# Altium PCB PCB2.PcbDoc (continued)
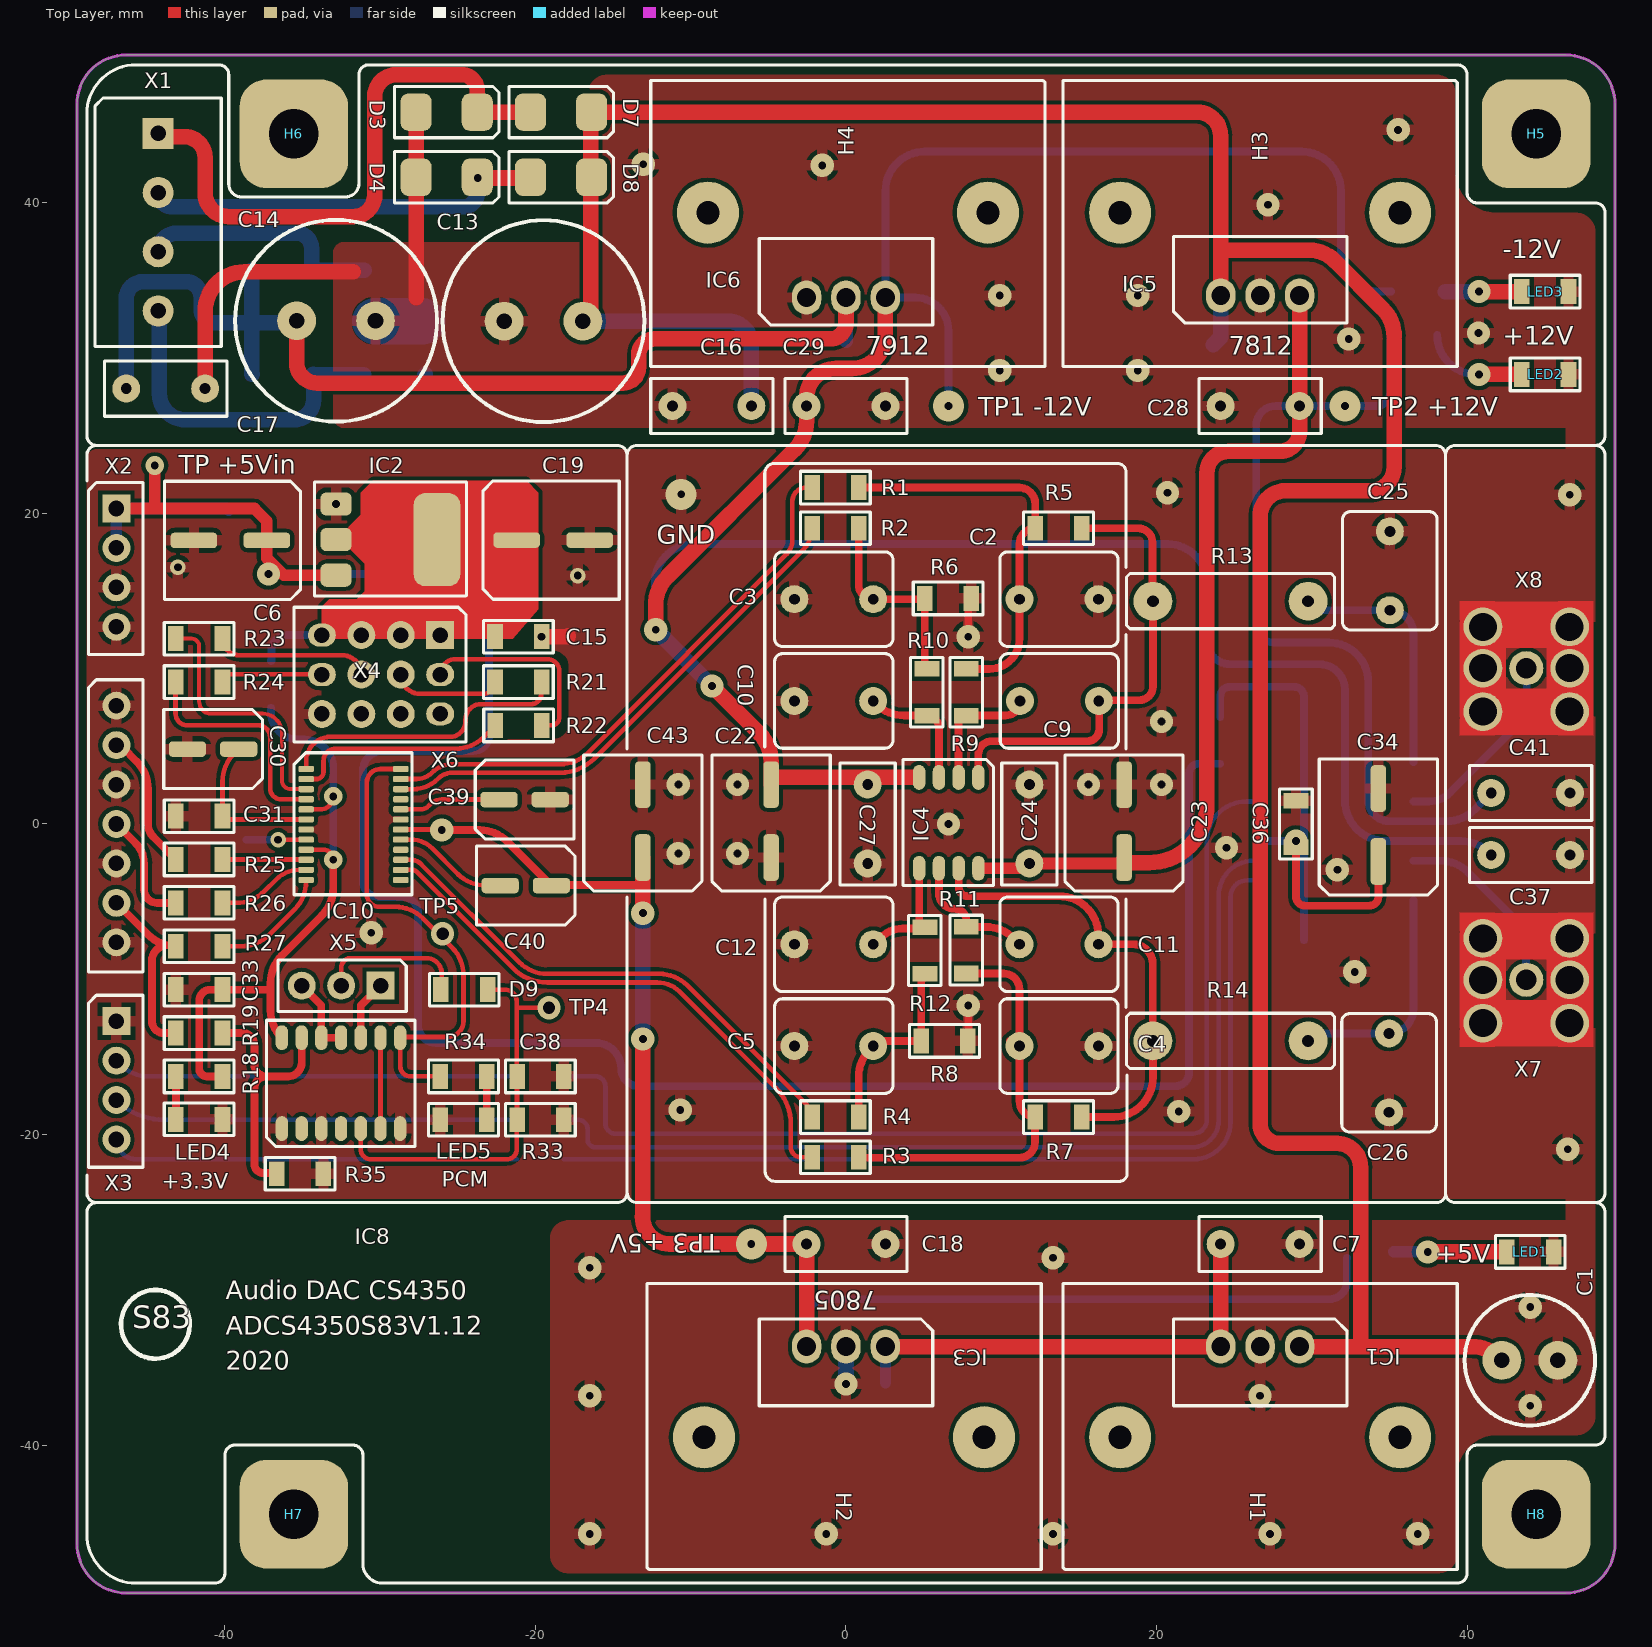
[diagram p0: Top Layer view]
## Nets (pads, with @x,y where several pads share a name; then routed paths per layer and width w, separated by ;. In a path a pad name is that pad's centre, name@x,y a point inside that pad or via, vN(x,y) a via of type N, cw(c..) or ccw(c..) an arc to the next point about the centre after c; other vN are vias at no path point)
+3,3V_4350: C32.1 C33.1 C35.1 IC8.14 IC10.5 IC10.9 L1.2 R18.2 | length 42.9
  Top Layer w0.3: IC10.9 -33.66,-1.656 cw(c-33.66,-2.295) v3(-33.02,-2.295) ; IC10.5 -33.854,0.944 ccw(c-33.854,1.778) v3(-33.02,1.778)
  Top Layer w0.5: R18.2 -41.148,-16.256 cw(c-41.148,-15.748) -41.656,-15.748 -41.656,-11.379 cw(c-40.945,-11.379) -40.945,-10.668 C33.1 -37.181,-10.668 cw(c-37.181,-10.841) -37.059,-10.719 ; IC8.14 cw(c-34.595,-12.022) -37.059,-12.022 -37.059,-10.719 ; v3(-33.02,-2.295) -33.02,-4.104 cw(c-35.56,-4.104) -33.764,-5.9 -36.315,-8.451 ccw(c-34.519,-10.247) -37.059,-10.247 -37.059,-10.719
  Bottom Layer w0.5: L1.2 -37.033,7.214 ccw(c-35.255,7.214) -35.255,5.436 -34.9,5.436 cw(c-34.9,3.556) C35.1 v3(-33.02,1.778) v3(-33.02,-2.295) C32.1
+3,3V_digital: C15.1 C19.1 IC2.2 IC2.4 L1.1 X6.1 X6.4 X6.7 X6.10 | length 30.4
  Top Layer w0.5: X6.10 X6.7 X6.4 X6.1 ; IC2.2 IC2.4 IC2.4@-26.137,18.317 ; X6.1@-25.908,11.938 cw(c-25.908,12.167) X6.1 ; -21.819,20.93 cw(c-21.696,20.807) -21.696,20.98 ; C19.1 -21.209,18.317 IC2.4@-26.137,18.317 ; X6.1 IC2.4@-26.137,18.317
  Bottom Layer w0.5: L1.1 ccw(c-37.033,10.517) -37.008,10.517 -37.008,11.151 cw(c-35.992,11.151) -35.992,12.167 X6.10
+5V_analog: C18.1 C40.1 C42.1 C43.1 IC3.3 IC10.18 R15.2 | length 98.3
  Top Layer w0.3: IC10.18 v1@-26.492,-0.356 ; v1@-26.537,-0.387 v1(-26.033,-0.387)
  Top Layer w0.5: v1(-26.033,-0.387) -23.602,-0.387 cw(c-23.602,-2.927) -21.806,-1.13 C40.1 ; C40.1@-18.974,-3.937 -13.081,-3.937
  Top Layer w1: -13.106,-25.301 ccw(c-11.356,-25.301) -11.356,-27.051 v2(-6.096,-27.051) ; -13.081,-25.301 v1(-13.081,-13.843) ; v1(-13.081,-5.74) -13.081,-3.937 C43.1 ; -5.044,-27.051 C18.1 IC3.3
  Bottom Layer w0.5: v1(-26.033,-0.387) -26.148,-0.387 ccw(c-25.907,1.068) -25.907,-0.406 C42.1 ; IC3.3 -2.54,-31.877 cw(c-1.27,-31.877) -1.27,-30.607 31.115,-30.607 ccw(c31.115,-29.464) 32.258,-29.464 32.258,-27.964 cw(c32.282,-27.964) R15.2@32.282,-27.94
  Bottom Layer w1: v1(-13.081,-13.843) v1(-13.081,-5.74)
+5V_input: C6.1 D10.2 IC2.3 L2.1 X2.1 X2.2 | length 156.6
  Top Layer w0.75: X2.1 -44.628,20.32 ; v9(-44.526,23.089) -44.526,20.565 cw(c-44.873,20.565) -44.628,20.32 ; IC2.3 -36.22,16.027 -37.297,17.104 C6.1 -37.297,19.517 -38.1,20.32 -44.628,20.32
  Bottom Layer w0.5: v1(-37.196,16.096) -24.097,16.096 cw(c-24.097,14.986) -22.987,14.986 -22.987,5.715 cw(c-24.003,5.715) -24.003,4.699 -29.845,4.699 ccw(c-29.845,3.429) -31.115,3.429 -31.115,-3.683 ccw(c-30.099,-3.683) -30.099,-4.699 -28.575,-4.699 cw(c-28.575,-5.715) -27.559,-5.715 -27.559,-12.954 ccw(c-26.416,-12.954) -26.416,-14.097 -16.129,-14.097 cw(c-16.129,-15.748) -14.478,-15.748 ccw(c-13.335,-15.748) -13.335,-16.891 21.209,-16.891 ccw(c21.209,-16.002) 22.098,-16.002 22.098,3.251 cw(c22.732,3.251) 22.732,3.885 L2.1
  Bottom Layer w0.75: X2.2 X2.1 -39.996,20.32 cw(c-39.996,19.973) D10.2
+5V_PGA: C34.1 C36.1 IC9.4 L2.2 R28.1 R32.1 | length 38.1
  Top Layer w0.5: C36.1 28.981,-4.674 ccw(c29.566,-4.674) 29.566,-5.258 33.706,-5.258 ccw(c33.706,-4.674) 34.29,-4.674 C34.1 C34.1@34.29,-1.5
  Bottom Layer w0.5: L2.2 24.105,8.204 cw(c24.74,8.204) 24.74,8.839 28.854,8.839 cw(c28.854,8.204) 29.489,8.204 29.489,6.68 R32.1 v1@29.491,-1.092 ; IC9.4 v1(28.981,-1.092) v1@29.491,-1.092 ; R28.1 cw(c29.516,-7.468) 29.491,-7.468 v1@29.491,-1.092
+12V: C23.1 C24.1 C28.1 C41.1 IC4.8 IC5.3 IC9.12 R16.2 | length 107.1
  Top Layer w0.5: C24.1@11.503,-2.848 ccw(c11.503,-2.54) C24.1
  Top Layer w0.75: IC4.8 C24.1@11.503,-2.848 ; C24.1 17.526,-2.54 ccw(c17.526,-2.159) C23.1@17.722,-2.486
  Top Layer w1: C23.1@17.722,-2.486 19.541,-2.486 ccw(c19.541,1.215) 23.241,1.215 23.241,22.606 cw(c24.638,22.606) 24.638,24.003 27.94,24.003 ccw(c27.94,25.273) 29.21,25.273 C28.1 IC5.3
  Bottom Layer w0.5: 26.416,25.4 26.416,12.827 ccw(c27.559,12.827) 27.559,11.684 31.098,11.684 cw(c31.098,9.144) 33.638,9.144 33.638,1.548 ccw(c35.008,1.548) 35.008,0.178 IC9.12 38.68,0.178 ccw(c38.68,2.718) 40.476,0.922 C41.1 ; 26.416,25.654 cw(c27.686,25.654) 27.686,26.924 C28.1 v2(32.131,26.924) 34.163,26.924 ccw(c34.163,27.813) 35.052,27.813 35.052,28.562 cw(c35.076,28.562) 35.076,28.586 R16.2
-12V: C22.2 C27.1 C29.1 C37.1 IC4.4 IC6.3 IC9.13 R17.2 | length 183
  Top Layer w1: v1(-12.255,12.509) -12.255,14.124 cw(c-9.716,14.124) -11.512,15.92 -3.284,24.148 ccw(c-5.08,25.944) -2.54,25.944 C29.1 -2.54,27.432 cw(c-0.635,27.432) -0.635,29.337 0.381,29.337 ccw(c0.381,31.496) 2.54,31.496 IC6.3 ; v1(-8.636,8.89) -5.57,5.824 cw(c-7.366,4.028) -4.826,4.028 C22.2 ; C22.2@-4.699,3.002 IC4.4@4.445,3.002
  Bottom Layer w0.5: v1@-12.319,12.319 -12.319,15.494 cw(c-9.779,15.494) -9.779,18.034 20.701,18.034 cw(c20.701,15.494) 23.241,15.494 23.241,11.811 ccw(c24.765,11.811) 24.765,10.287 30.493,10.287 cw(c30.493,8.649) 32.131,8.649 32.131,1.53 ccw(c34.754,1.53) 34.754,-1.092 IC9.13 39.594,-1.092 cw(c39.594,-3.632) 41.391,-1.836 C37.1 ; v2(6.604,26.924) 6.604,31.75 ccw(c4.445,31.75) 4.445,33.909 IC6.3 2.54,40.767 cw(c5.08,40.767) 5.08,43.307 29.337,43.307 cw(c29.337,40.767) 31.877,40.767 31.877,36.83 ccw(c34.417,36.83) 34.417,34.29 R17.2
  Bottom Layer w1: v1@-12.319,12.319 -12.255,12.383 v1(-12.255,12.509) v1(-8.636,8.89)
AOUTA_N: IC10.14 R3.1 | length 35.6
  Top Layer w0.3: IC10.14 -27.909,-2.956 cw(c-27.909,-3.271) -27.686,-3.048 -21.434,-9.3 ccw(c-19.246,-7.112) -19.246,-10.206 -12.15,-10.206 cw(c-12.15,-12.24) -10.712,-10.802 -4.512,-17.001 cw(c-6.822,-19.311) -3.556,-19.311 -3.556,-20.803 ccw(c-2.896,-20.803) -2.896,-21.463 R3.1
AOUTA_P: IC10.15 R4.1 | length 32.6
  Top Layer w0.3: IC10.15 -28.025,-2.306 cw(c-28.025,-3.224) -27.376,-2.575 -21.042,-8.908 ccw(c-19.246,-7.112) -19.246,-9.652 -12.025,-9.652 cw(c-12.025,-12.192) -10.229,-10.396 R4.1@-2.438,-18.186
AOUTB_N: IC10.23 R1.1 | length 35.9
  Top Layer w0.3: IC10.23 -27.654,2.894 ccw(c-27.654,4.286) -26.67,3.302 cw(c-25.333,1.965) -25.333,3.856 -18.405,3.856 ccw(c-18.405,6.396) -16.609,4.6 -3.835,17.374 ccw(c-4.755,18.293) -3.454,18.293 -3.454,20.777 cw(c-2.565,20.777) -2.565,21.666 R1.1
AOUTB_P: IC10.22 R2.1 | length 33.6
  Top Layer w0.3: IC10.22 -27.886,2.244 ccw(c-27.886,4.518) -26.278,2.91 cw(c-25.333,1.965) -25.333,3.302 -18.405,3.302 ccw(c-18.405,6.396) -16.217,4.208 -2.759,17.667 ccw(c-4.142,19.05) R2.1
cs_pga: IC9.2 R29.2 | length 61.6
  Bottom Layer w0.3: R29.2 22.384,-21.59 ccw(c22.384,-19.209) 24.765,-19.209 24.765,-4.699 cw(c25.832,-4.699) 25.832,-3.632 IC9.2
DC15V: C1.1 C13.1 C16.1 C20.1 D7.2 D8.2 IC1.1 IC5.1 | length 187.6
  Top Layer w1: C13.1 ccw(c-16.942,32.893) -16.434,32.893 D7.2@-16.434,44.856 ; D7.2 22.606,45.847 cw(c22.606,44.323) 24.13,44.323 24.13,36.957 ; IC5.1 24.13,36.957 ; IC1.1 cw(c29.439,-33.655) 29.439,-33.426 ccw(c29.667,-33.426) 29.667,-33.655 33.147,-33.655 ; 33.147,-22.225 33.147,-33.655 ; 33.147,-22.098 ccw(c31.623,-22.098) 31.623,-20.574 27.94,-20.574 cw(c27.94,-19.304) 26.67,-19.304 26.67,-18.415 26.669,-18.415 26.67,19.812 cw(c28.321,19.812) 28.321,21.463 33.782,21.463 ccw(c33.782,22.987) 35.306,22.987 35.306,31.115 ; 35.306,31.391 ccw(c32.766,31.391) 34.562,33.187 31.462,36.287 ; C1.1 42.102,-34.399 ccw(c40.306,-36.195) 40.306,-33.655 33.147,-33.655 ; 24.13,36.957 29.845,36.957 cw(c29.845,34.671) 31.461,36.287 ; 31.461,36.287 cw(c29.845,34.671) 31.462,36.287 ; 31.461,36.287 31.462,36.287
  Bottom Layer w1: C13.1 -7.62,32.385 cw(c-7.62,30.861) -6.096,30.861 C16.1@-6.096,27.407 ; C20.1 24.13,31.345 IC5.1
DEM: R22.1 X6.2 | length 13.1
  Top Layer w0.3: X6.2 cw(c-25.146,9.627) -25.146,10.617 -19.228,10.617 cw(c-19.228,9.855) -18.466,9.855 -18.466,6.858 cw(c-18.974,6.858) -18.974,6.35 R22.1
DIF0: R23.1 X6.8 | length 10.3
  Top Layer w0.3: R23.1 ccw(c-39.089,11.938) -39.089,10.871 -32.461,10.871 cw(c-32.461,9.627) X6.8
DIF1: R24.1 X6.11 | length 6.7
  Top Layer w0.3: R24.1@-39.775,9.652 X6.11@-33.858,9.652 ; X6.11@-34.239,9.144 ccw(c-34.239,9.627) X6.11
DIF2: R21.1 X6.5 | length 7.2
  Top Layer w0.3: X6.5 ccw(c-27.432,9.627) -27.432,8.382 -23.368,8.382 ccw(c-23.368,9.144) R21.1
GND: C1.2 C2.1 C3.2 C4.1 C5.2 C6.2 C7.2 C8.2 C10.2 C12.2 C13.2 C14.1 C15.2 C16.2 C17.2 C18.2 C19.2 C20.2 C21.2 C22.1 C23.2 C24.2 C25.2 C26.1 C27.2 C28.2 C29.2 C30.2 C31.2 C32.2 C33.2 C34.2 C35.2 C36.2 C37.2 C38.2 C39.2 C41.2 C42.2 C43.2 D1.2 D2.2 D3.1 D4.1 D10.1 IC1.2 IC2.1 IC3.2 IC5.2 IC6.1 IC8.1 IC8.3 IC8.7 IC9.5 IC9.10 IC9.15 IC10.7 IC10.19 LED1.2 LED2.2 LED3.1 LED4.2 LED5.2 R6.1 R8.1 R20.1 R33.1 R35.2 X2.3 X2.4 X3.1 X4.1 X4.3 X4.5 X4.7 X6.3 X6.6 X6.9 X6.12 X7.2 X8.2 | length 39.6
  Top Layer w0.3: R8.1 ccw(c7.792,-13.912) R8.1@7.874,-13.912
  Top Layer w0.5: R8.1@7.874,-13.912 v1(7.874,-11.684) ; v1(7.874,12.065) R6.1@7.874,14.097
  Top Layer w1: C17.2 -41.275,33.02 cw(c-38.735,33.02) -38.735,35.56 -31.75,35.56 ; -27.686,33.909 D4.1 D3.1 ; v4(-19.606,12.065) -18.004,12.065 ccw(c-18.004,12.238) -17.882,12.116
  Bottom Layer w1: D2.2 ccw(c-27.127,28.956) D2.2@-27.102,28.956 ; C13.2@-22.123,32.283 ccw(c-22.123,32.385) C13.2 ; v1(0,-36.068) IC3.2
  Bottom Layer w3: C14.1@-30.302,32.385 -27.305,32.385
  other v1: -16.51,-45.72 -1.27,-45.72 13.335,-45.72 27.305,-45.72 36.83,-45.72 44.069,-37.465 -16.51,-36.83 26.67,-36.83 44.069,-31.115 -16.51,-28.575 13.335,-27.94 46.482,-20.955 21.438,-18.517 -10.668,-18.415 32.766,-9.525 -30.582,-7.01 31.648,-2.946 -10.795,-1.905 -6.985,-1.905 24.511,-1.524 6.604,0 -10.795,2.54 -6.985,2.54 15.621,2.54 20.32,2.54 20.32,6.604 46.609,21.209 20.701,21.336 9.906,29.21 18.796,29.21 32.385,31.242 40.742,31.623 9.906,34.036 18.796,34.036 27.178,39.878 -1.524,42.418 -13.056,42.494 35.56,44.704
  other v2: -10.617,21.234
  other v4: -32.842,20.607
  other v5: -17.272,16.002 -43.028,16.535
LRCK: R19.2 R27.1 X4.6 | length 11.8
  Top Layer w0.5: X4.6 -44.931,-7.139 ccw(c-43.156,-5.363) -43.703,-7.814 ccw(c-43.703,-8.815) -44.704,-8.815 -44.704,-12.7 ccw(c-43.942,-12.7) -43.942,-13.462 R19.2
NetC2_2: C2.2 R1.2 R5.1 R9.1 | length 25.8
  Top Layer w0.5: R1.2 11.151,21.666 cw(c11.151,20.625) 12.192,20.625 R5.1 ccw(c12.192,18.034) 11.176,18.034 C2.2 11.176,11.938 cw(c9.223,11.938) 9.223,9.985 R9.1
NetC3_1: C3.1 R2.2 R6.2 R10.1 | length 13.1
  Top Layer w0.5: R2.2 0.814,15.416 ccw(c1.753,15.416) C3.1 5.028,14.478 R6.2 5.079,10.113 ccw(c5.207,10.113) R10.1
NetC4_2: C4.2 R3.2 R7.1 R11.1 | length 26.4
  Top Layer w0.5: R3.2 ccw(c0.839,-21.463) 0.839,-21.488 11.176,-21.488 ccw(c11.176,-20.498) 12.167,-20.498 12.167,-18.897 cw(c12.192,-18.897) R7.1 cw(c12.192,-17.856) 11.176,-17.856 C4.2 ; R11.1 10.136,-9.628 cw(c10.136,-10.668) 11.176,-10.668 11.176,-13.335 cw(c10.541,-13.335) C4.2@10.541,-13.97
NetC5_1: C5.1 R4.2 R8.2 R12.1 | length 12.4
  Top Layer w0.5: R4.2 0.814,-16.291 cw(c3.354,-16.291) 1.558,-14.495 C5.1 cw(c2.55,-15.097) 2.55,-13.97 R8.2 4.85,-10.207 cw(c5.635,-10.207) R12.1
NetC7_1: C7.1 C8.1 IC1.3 IC3.1 | length 30.1
  Top Layer w1: IC3.1 IC1.3 C7.1@24.13,-27.508
  Bottom Layer w0.7: C8.1@2.54,-36.003 IC3.1
NetC9_1: C9.1 IC4.1 R5.2 R13.1 | length 30.4
  Top Layer w0.5: IC4.1@8.57,3.048 ccw(c8.57,3.002) IC4.1 8.524,4.47 cw(c9.388,4.47) 9.388,5.334 15.545,5.334 ccw(c15.545,6.096) 16.307,6.096 16.307,7.899 cw(c16.383,7.899) 16.383,7.976 18.898,7.976 ccw(c18.898,8.843) 19.765,8.843 R13.1 cw(c19.765,14.38) 19.736,14.38 19.736,18.136 ccw(c18.821,18.136) 18.821,19.05 R5.2
NetC9_2: C9.2 IC4.2 R9.2 | length 8.3
  Top Layer w0.5: IC4.2 7.254,6.492 cw(c7.747,6.492) R9.2 10.262,6.985 ccw(c10.262,7.925) C9.2
NetC10_1: C10.1 IC4.3 R10.2 | length 8.2
  Top Layer w0.5: C10.1 1.949,7.729 ccw(c3.745,9.525) 3.745,6.985 R10.2 cw(c5.207,6.208) 5.984,6.208 IC4.3
NetC11_1: C11.1 IC4.7 R7.2 R14.1 | length 30.1
  Top Layer w0.5: IC4.7 7.254,-3.444 7.264,-3.444 7.264,-4.089 ccw(c7.823,-4.089) 7.823,-4.648 13.716,-4.648 cw(c13.716,-7.188) 16.256,-7.188 C11.1 18.491,-7.747 cw(c18.491,-9.017) 19.761,-9.017 19.761,-13.97 R14.1 19.765,-16.332 cw(c17.225,-16.332) 17.225,-18.872 R7.2
NetC11_2: C11.2 IC4.6 R11.2 | length 8.6
  Top Layer w0.5: IC4.6 5.984,-4.46 ccw(c6.985,-4.46) 6.985,-5.461 cw(c6.985,-6.223) 7.747,-6.223 R11.2 9.005,-6.628 cw(c9.005,-9.168) 10.801,-7.372 C11.2
NetC12_1: C12.1 IC4.5 R12.2 | length 6.8
  Top Layer w0.5: C12.1@1.829,-7.747 2.27,-7.306 cw(c3.658,-8.693) 3.658,-6.731 R12.2@4.699,-6.731 ; R12.2@4.714,-6.477 IC4.5
NetC14_2: C14.2 C17.1 C21.1 D5.1 D6.1 IC6.2 | length 71.8
  Top Layer w1: C14.2@-35.433,32.283 cw(c-35.433,32.156) -35.306,32.156 ccw(c-35.306,32.08) -35.382,32.08 -35.382,29.718 ccw(c-34.061,29.718) -34.061,28.397 -14.376,28.397 ccw(c-14.376,29.413) -13.36,29.413 -13.36,30.201 cw(c-12.319,30.201) -12.319,31.242 -1.016,31.242 ccw(c-1.016,32.258) 0,32.258 IC6.2
  Bottom Layer w0.9: C21.1@0,31.091 IC6.2
  Bottom Layer w1: C17.1 -46.355,33.85 cw(c-45.28,33.85) -45.28,34.925 -42.523,34.925 cw(c-42.523,33.931) -41.529,33.931 -41.529,33.107 ccw(c-40.706,33.107) -40.706,32.283 -38.278,32.283 ; D5.1 -38.278,32.309 ccw(c-38.252,32.309) -38.252,32.283 ; D6.1 cw(c-38.252,28.981) -38.278,28.981 -38.278,32.283 ; C14.2@-35.433,32.283 -38.252,32.283 ; -38.278,32.283 -38.252,32.283
NetC30_1: C30.1 C31.1 IC10.6 | length 10.1
  Top Layer w0.3: C30.1 -39.412,4.53 ccw(c-37.616,2.734) -40.156,2.734 C31.1 ccw(c-39.64,1.024) -39.64,0.294 IC10.6
NetC38_1: C38.1 D9.2 IC8.5 R33.2 | length 26.1
  Top Layer w0.3: IC8.5@-31.242,-19.614 IC8.5 -31.252,-20.945 ccw(c-30.607,-20.945) -30.607,-21.59 -21.844,-21.59 ccw(c-21.844,-20.943) -21.197,-20.943 -21.197,-19.05 R33.2 C38.1 cw(c-21.185,-16.232) -21.209,-16.232 -21.209,-11.836 ; D9.2 -21.971,-10.668 cw(c-21.971,-11.43) -21.209,-11.43 -21.209,-11.836 ; v6(-19.126,-11.836) -21.209,-11.836
NetC39_1: C39.1 IC10.20 | length 6.5
  Top Layer w0.3: IC10.20 -27.378,0.944 ccw(c-27.378,1.622) -26.899,1.143 -26.772,1.269 cw(c-26.035,0.532) -26.035,1.575 C39.1
NetC40_2: C40.2 IC10.17 | length 7.4
  Top Layer w0.3: IC10.17 -28.019,-1.006 cw(c-28.019,-2.949) -26.645,-1.575 -25.001,-3.218 ccw(c-23.205,-1.422) -23.205,-3.962 C40.2
NetD1_1: D1.1 D5.2 X1.3 | length 15.9
  Bottom Layer w1: X1.3 cw(c-43.104,36.855) -43.104,38.049 -35.382,38.049 cw(c-35.382,37.084) -34.417,37.084 -34.417,35.738 ccw(c-34.341,35.738) D5.2 D1.1
NetD2_1: D2.1 D6.2 X1.4 | length 21.9
  Bottom Layer w1: X1.4 cw(c-44.298,32.969) -44.221,32.969 -44.221,27.711 ccw(c-42.545,27.711) -42.545,26.035 -35.56,26.035 ccw(c-35.56,27.305) -34.29,27.305 D6.2@-34.29,28.931 ; D6.2 cw(c-34.315,28.931) D6.2@-34.29,28.931 ; D2.1 D6.2@-34.29,28.931
NetD3_2: D3.2 D7.1 X1.1 | length 37.9
  Top Layer w0.75: X1.1 ccw(c-44.092,44.475) X1.1@-44.092,44.27
  Top Layer w1: X1.1@-44.092,44.27 -42.619,44.27 cw(c-42.619,42.926) -41.275,42.926 -41.275,40.64 ccw(c-39.751,40.64) -39.751,39.116 -31.75,39.116 ccw(c-31.75,40.513) -30.353,40.513 -30.353,46.863 cw(c-28.956,46.863) -28.956,48.26 -24.765,48.26 cw(c-24.765,47.244) -23.749,47.244 D3.2 D7.1
NetD4_2: D4.2 D8.1 X1.2 | length 26.1
  Top Layer w0.75: D8.1@-20.472,40.97 ccw(c-20.472,41.072) D8.1@-20.371,41.072
  Top Layer w1: v7(-23.724,41.605) D8.1@-20.345,41.605
  Bottom Layer w1: X1.2 ccw(c-43.383,40.665) -43.383,39.751 -24.638,39.751 ccw(c-24.638,40.64) -23.749,40.64 -23.749,41.58 cw(c-23.724,41.58) v7(-23.724,41.605)
NetD9_1: D9.1 X5.2 | length 9.7
  Top Layer w0.3: X5.2 -32.512,-9.271 cw(c-31.877,-9.271) -31.877,-8.636 -27.029,-8.636 cw(c-27.029,-9.63) -26.035,-9.63 -26.035,-10.616 cw(c-26.087,-10.616) D9.1 ; D9.1@-26.137,-10.847 ccw(c-26.087,-10.847) D9.1@-26.087,-10.897
NetIC8_6: IC8.6 IC8.9 | length 5.8
  Top Layer w0.3: IC8.6 IC8.9
NetIC8_10: IC8.10 X5.1 | length 3.9
  Top Layer w0.5: IC8.10 -31.252,-11.694 X5.1
NetIC8_11: IC8.11 IC8.12 X5.3 | length 5.4
  Top Layer w0.5: X5.3@-35.052,-10.668 X5.3 -33.792,-11.674 IC8.12 IC8.11
NetIC8_13: IC8.13 R19.1 R35.1 | length 17.3
  Top Layer w0.5: R19.1 -38.862,-13.462 cw(c-38.862,-14.224) -38.1,-14.224 -38.1,-15.494 ccw(c-37.338,-15.494) -37.338,-16.256 ; R35.1 ccw(c-36.704,-22.53) -36.704,-22.479 -37.541,-22.479 cw(c-37.541,-21.92) -38.1,-21.92 -38.1,-17.018 cw(c-37.338,-17.018) -37.338,-16.256 ; IC8.13 -35.052,-13.764 -35.052,-15.367 cw(c-35.941,-15.367) -35.941,-16.256 -37.338,-16.256
NetIC9_1: IC9.1 R28.2 | length 2.4
  Bottom Layer w0.5: R28.2@26.567,-7.366 IC9.1@26.567,-4.953
NetIC9_8: IC9.8 R32.2 | length 2.3
  Bottom Layer w0.5: IC9.8 R32.2@26.891,6.28
NetIC9_11: IC9.11 X8.1 | length 12.4
  Bottom Layer w0.5: IC9.11 37.53,1.448 ccw(c37.53,3.375) 38.893,2.012 43.096,6.216 ccw(c41.3,8.012) 43.84,8.012 43.84,9.939 ccw(c43.754,9.939) X8.1@43.815,10
NetIC9_14: IC9.14 X7.1 | length 12
  Bottom Layer w0.5: IC9.14 38.267,-2.362 cw(c38.267,-4.902) 40.063,-3.106 43.046,-6.089 cw(c41.25,-7.885) 43.79,-7.885 43.79,-9.939 ccw(c43.876,-9.939) X7.1@43.815,-10
NetIC10_1: IC10.1 R21.2 | length 18.9
  Top Layer w0.254: R21.2@-19.606,8.358 R21.2
  Top Layer w0.3: IC10.1 -34.771,4.039 cw(c-33.197,4.039) -33.197,5.613 -25.502,5.613 ccw(c-25.502,6.604) -24.511,6.604 -24.511,6.712 cw(c-23.502,6.712) -23.502,7.722 -20.27,7.722 ccw(c-20.27,8.358) R21.2@-19.633,8.358
NetIC10_2: IC10.2 R22.2 | length 14.1
  Top Layer w0.3: IC10.2 -34.113,2.894 ccw(c-34.113,3.353) -33.655,3.353 -33.655,4.064 cw(c-32.868,4.064) -32.868,4.851 -25.133,4.851 ccw(c-25.133,7.391) -23.337,5.595 R22.2
NetIC10_3: IC10.3 R23.2 | length 16.8
  Top Layer w0.254: R23.2 -42.164,11.938 cw(c-42.164,11.43) -41.656,11.43 -41.656,7.874 ccw(c-40.894,7.874) -40.894,7.112 -37.592,7.112 cw(c-37.592,5.842) -36.322,5.842 -36.322,2.794 ccw(c-35.772,2.794) -35.772,2.244 IC10.3
NetIC10_4: IC10.4 R24.2 | length 15
  Top Layer w0.3: R24.2 ccw(c-43.156,9.12) -43.18,9.12 -43.18,7.112 ccw(c-42.418,7.112) -42.418,6.35 -37.846,6.35 cw(c-37.846,5.588) -37.084,5.588 -37.084,2.286 ccw(c-36.392,2.286) -36.392,1.594 IC10.4
NetIC10_10: IC10.10 R25.2 | length 5.4
  Top Layer w0.3: R25.2 -34.819,-2.286 cw(c-34.819,-2.353) IC10.10
NetIC10_11: IC10.11 R26.2 | length 6.1
  Top Layer w0.3: R26.2 -39.263,-5.08 ccw(c-39.263,-2.54) -37.467,-4.336 -36.679,-3.548 cw(c-35.248,-4.978) -35.248,-2.956 IC10.11
NetIC10_12: IC10.12 R27.2 | length 7.6
  Top Layer w0.3: R27.2 -38.938,-7.874 ccw(c-38.938,-5.334) -37.142,-7.13 -35.515,-5.503 ccw(c-37.311,-3.707) -34.771,-3.707 IC10.12
NetLED1_1: LED1.1 R15.1 | length 7.3
  Top Layer w1: v1(37.465,-27.559) LED1.1
  Bottom Layer w0.75: R15.1 v1(37.465,-27.559)
NetLED2_1: LED2.1 R16.1 | length 6.3
  Top Layer w1: v1(40.767,28.956) 42.95,28.956
  Bottom Layer w0.5: R16.1 ccw(c40.616,31.496) 40.616,28.956 v1(40.767,28.956)
NetLED3_2: LED3.2 R17.1 | length 4.9
  Top Layer w1: v1(40.767,34.29) LED3.2@43.434,34.29
  Bottom Layer w1: R17.1@38.584,34.29 v1(40.767,34.29)
NetLED4_1: LED4.1 R18.1 | length 2.8
  Top Layer w0.5: LED4.1 R18.1
NetLED5_1: LED5.1 R34.1 | length 2.8
  Top Layer w0.5: LED5.1 R34.1
NetR29_1: R29.1 X3.4 | length 26.5
  Bottom Layer w0.3: X3.4 ccw(c-45.72,-20.32) -45.72,-21.59 R29.1
NetR30_1: R30.1 X3.3 | length 26.1
  Bottom Layer w0.3: X3.3 ccw(c-43.924,-14.714) -43.924,-19.05 R30.1
NetR31_1: R31.1 X3.2 | length 26.1
  Bottom Layer w0.256: X3.2 X3.2@-46.718,-15.512
  Bottom Layer w0.3: X3.2@-46.718,-15.512 ccw(c-44.922,-13.716) -44.922,-16.256 R31.1
out_1_A: C25.1 IC9.9 R13.2 | length 16.2
  Bottom Layer w0.5: R13.2 ccw(c30.349,14.351) 30.349,13.767 C25.1 cw(c35.027,12.243) 36.551,12.243 IC9.9
out_1_B: C26.2 IC9.16 R14.2 | length 15
  Bottom Layer w0.5: R14.2 cw(c30.248,-13.97) 30.248,-13.487 C26.2 ccw(c34.976,-11.913) 36.551,-11.913 IC9.16
RESET: IC8.8 IC10.24 R34.2 | length 31.2
  Top Layer w0.3: IC10.24 -29.984,3.544 ccw(c-29.984,2.667) -30.861,2.667 -30.861,-4.521 ccw(c-30.048,-4.521) -30.048,-5.334 -29.043,-5.334 cw(c-29.043,-7.874) -27.247,-6.078 -25.382,-7.943 cw(c-27.178,-9.739) -24.638,-9.739 -24.638,-12.7 cw(c-25.654,-12.7) -25.654,-13.716 -28.664,-13.716 ccw(c-28.664,-13.764) IC8.8 -28.702,-13.764 -28.702,-15.621 ccw(c-28.067,-15.621) -28.067,-16.256 R34.2
  other v6: -25.984,-7.061
RMCLK: IC10.8 R20.2 | length 3.9
  Top Layer w0.3: v8(-36.576,-1.016) -36.576,-1.006 IC10.8
  Bottom Layer w0.5: R20.2 v8(-36.576,-1.016)
SCLK: R25.1 X4.2 | length 8.9
  Top Layer w0.5: X4.2 cw(c-46.99,4.467) -46.556,4.9 -45.702,4.046 cw(c-47.498,2.25) -44.958,2.25 -44.958,0 ccw(c-43.79,0) -44.616,-0.826 R25.1
sclk_pga: IC9.6 R31.2 | length 68.1
  Bottom Layer w0.3: R31.2 -16.129,-16.256 cw(c-16.129,-16.891) -15.494,-16.891 -15.494,-19.304 ccw(c-14.859,-19.304) -14.859,-19.939 22.352,-19.939 ccw(c22.352,-19.05) 23.241,-19.05 23.241,-1.092 cw(c25.781,-1.092) 25.781,1.448 IC9.6
sdi_pga: IC9.3 R30.2 | length 63.1
  Bottom Layer w0.256: IC9.3@26.253,-2.362 IC9.3
  Bottom Layer w0.3: R30.2 -17.272,-19.05 cw(c-17.272,-19.685) -16.637,-19.685 -16.637,-20.32 ccw(c-16.129,-20.32) -16.129,-20.828 22.269,-20.828 ccw(c22.269,-19.094) 24.003,-19.094 24.003,-4.612 cw(c26.253,-4.612) IC9.3@26.253,-2.362
SDIN: R26.1 X4.4 | length 7.4
  Top Layer w0.5: X4.4 -45.751,-1.239 cw(c-47.052,-2.54) -45.212,-2.54 -45.212,-4.213 ccw(c-44.345,-4.213) -44.958,-4.826 ccw(c-44.345,-4.213) -44.345,-5.08 R26.1
pads on no net: H1.1 H1.2 H2.1 H2.2 H3.1 H3.2 H4.1 H4.2 H5.1 H6.1 H7.1 H8.1 IC8.2 IC8.4 IC9.7 IC10.13 IC10.16 IC10.21

## Polygon pours and split planes (outlines as drawn)
GND on Top Layer "Top Layer-No Net" (solid, pour order 22): 48.26,27.305 46.355,26.829 46.355,22.791 48.26,22.586
GND on Top Layer "Top Layer-No Net" (solid, pour order 20): 46.355,-26.391 48.26,-26.391 48.26,-23.95 46.355,-23.906
GND on Top Layer "Top Layer-No Net" (solid, pour order 14): -48.26,24.13 48.26,24.13 48.26,-24.13 -48.26,-24.13 cw(c-48.318,-23.553) -48.895,-23.495 -48.895,23.495 cw(c-48.26,23.495)
GND on Top Layer "Top Layer-No Net" (solid, pour order 10): 48.26,-25.527 -17.907,-25.527 ccw(c-17.907,-26.67) -19.05,-26.67 -19.05,-47.092 ccw(c-17.883,-47.093) -17.882,-48.26 38.1,-48.26 ccw(c38.1,-46.99) 39.37,-46.99 39.37,-41.91 cw(c41.91,-41.91) 41.91,-39.37 46.99,-39.37 ccw(c46.99,-38.1) 48.26,-38.1
GND on Top Layer "Top Layer-No Net" (solid, pour order 8): -16.637,46.99 cw(c-15.367,46.99) -15.367,48.26 38.1,48.26 cw(c38.037,47.054) 39.243,46.99 39.243,42.037 ccw(c41.909,42.036) 41.91,39.37 46.99,39.37 cw(c46.99,38.101) 48.26,38.1 48.26,26.829 cw(c46.975,26.812) 46.99,25.527 -32.385,25.527 cw(c-32.343,26.204) -33.02,26.162 -33.02,32.311 -33.02,36.83 cw(c-32.335,36.803) -32.512,37.465 -31.115,37.465 -33.655,37.465 -16.637,37.465
GND on Bottom Layer "Top Layer-No Net" (solid, pour order 30): 46.355,26.67 48.101,26.67 48.26,26.337 48.26,22.606 46.355,22.606
GND on Bottom Layer "Top Layer-No Net" (solid, pour order 28): 46.355,-23.876 48.26,-23.876 48.26,-26.67 46.355,-26.67
GND on Bottom Layer "Top Layer-No Net" (solid, pour order 16): -48.26,24.13 48.26,24.13 48.26,-24.138 -48.252,-24.138 cw(c-48.252,-23.503) -48.887,-23.503 -48.895,23.497 cw(c-48.26,23.495)
GND on Bottom Layer "Top Layer-No Net" (solid, pour order 24): -17.78,-25.527 47.625,-25.527 cw(c47.625,-26.162) 48.26,-26.162 48.26,-38.176 cw(c47.066,-38.176) 47.066,-39.37 41.91,-39.37 ccw(c41.91,-41.91) 39.37,-41.91 39.37,-46.99 cw(c38.1,-46.99) 38.1,-48.26 -17.78,-48.26 cw(c-17.825,-47.035) -19.05,-47.08 -19.05,-26.797 cw(c-17.78,-26.797)
GND on Bottom Layer "Top Layer-No Net" (solid, pour order 26): -16.866,46.99 -16.866,38.506 cw(c-17.259,38.493) -17.272,38.1 -22.987,38.1 -27.686,38.1 ccw(c-27.687,36.836) -28.951,36.835 -28.951,32.673 -28.959,32.576 -28.958,32.297 -28.956,31.75 -28.951,26.157 ccw(c-28.321,26.157) -28.321,25.527 48.26,25.527 48.26,38.1 ccw(c46.991,38.101) 46.99,39.37 41.91,39.37 cw(c41.91,41.91) 39.37,41.91 39.37,46.99 ccw(c38.101,46.991) 38.1,48.26 -15.596,48.26 ccw(c-15.596,46.991)

## Keep-outs
Keep-Out Layer:
  the board outline again, w0.2

## Other copper
Top Layer:
  pour cut-out: -33.757,13.31 -33.757,7.722 -31.496,5.461 -31.471,5.486 -18.898,5.486 ccw(c-18.898,6.502) -17.882,6.502 -17.882,10.135 ccw(c-18.923,10.135) -18.923,11.176 -19.558,11.176 -19.558,14.021
  region net +3,3V_digital: -32.842,18.317 -31.242,19.918 -31.242,21.336 -30.48,22.098 -20.574,22.098 -19.812,21.336 -19.812,13.843 -21.463,11.938 -25.908,11.938 -26.137,12.167 -33.757,12.167 -33.757,13.995 -33.274,14.478 -31.496,14.478 -30.988,14.986 -30.988,16.764 -32.512,18.288

## Silkscreen, mask and mechanical layers (free items; w line width, h text height)
Top Overlay:
  lines w0.2: -48.895,-22.606 -48.895,-23.749 ccw(c-48.26,-23.749) -48.26,-24.384 ; -48.895,22.098 -48.895,23.749 cw(c-48.26,23.749) -48.26,24.384 ; -48.895,25.019 ccw(c-48.26,25.019) -48.26,24.384 ; -48.895,25.044 -48.895,45.72 cw(c-45.72,45.72) -45.72,48.895 -41.529,48.895 -40.386,48.895 cw(c-40.386,48.26) -39.751,48.26 -39.751,46.727 -39.751,41.205 ccw(c-38.932,41.205) -38.932,40.386 -32.236,40.386 ccw(c-32.236,41.253) -31.369,41.253 -31.369,46.727 -31.369,48.26 cw(c-30.734,48.26) -30.734,48.895 -29.337,48.895 39.37,48.895 cw(c39.37,48.26) 40.005,48.26 40.005,40.64 ccw(c40.64,40.64) 40.64,40.005 48.26,40.005 cw(c48.26,39.37) 48.895,39.37 48.895,25.019 cw(c48.26,25.019) 48.26,24.384 ; -14.097,-23.785 -14.097,-4.699 ; -14.097,-23.749 cw(c-14.732,-23.749) -14.732,-24.384 -48.26,-24.384 ; -14.097,4.826 -14.097,23.749 ; -14.073,-23.785 ccw(c-13.474,-23.785) -13.474,-24.384 ; -13.462,24.384 ccw(c-13.462,23.749) -14.097,23.749 ; -5.232,4.953 -5.232,22.617 ; -5.227,22.617 cw(c-4.628,22.617) -4.628,23.216 17.493,23.216 cw(c17.493,22.675) 18.034,22.675 18.034,22.53 18.034,16.51 ; -5.207,-4.826 -5.207,-22.377 ccw(c-4.572,-22.377) -4.572,-23.012 17.602,-23.012 ccw(c17.602,-22.504) 18.11,-22.504 18.11,-16.18 ; 18.034,-11.811 18.034,-4.826 ; 18.034,4.826 18.034,12.192 ; 37.973,-24.384 ccw(c38.036,-23.812) 38.608,-23.749 ; 37.973,24.384 cw(c37.973,23.749) 38.608,23.749 ; -48.26,-24.384 ccw(c-48.26,-25.019) -48.895,-25.019 -48.895,-45.72 ccw(c-45.72,-45.72) -45.72,-48.895 -40.64,-48.895 ccw(c-40.64,-48.26) -40.005,-48.26 -40.005,-40.64 cw(c-39.37,-40.64) -39.37,-40.005 -31.75,-40.005 cw(c-31.75,-40.64) -31.115,-40.64 -31.115,-47.625 ccw(c-29.845,-47.625) -29.845,-48.895 -14.732,-48.895 39.37,-48.895 ccw(c39.37,-48.26) 40.005,-48.26 40.005,-40.64 cw(c40.64,-40.64) 40.64,-40.005 48.26,-40.005 ccw(c48.26,-39.37) 48.895,-39.37 48.895,-39.243 48.895,-25.019 ccw(c48.26,-25.019) 48.26,-24.384 ; -48.26,24.384 -14.732,24.384 cw(c-14.732,23.749) -14.097,23.749 ; 38.608,-23.749 ccw(c39.243,-23.749) 39.243,-24.384 48.26,-24.384 ; 38.608,-23.749 38.608,23.749 ; 38.608,23.749 cw(c39.243,23.749) 39.243,24.384 48.26,24.384 ; 48.26,-24.384 ccw(c48.26,-23.749) 48.895,-23.749 48.895,23.749 ccw(c48.26,23.749) 48.26,24.384
  lines w0.203: -13.474,-24.384 37.973,-24.384 ; -13.462,24.384 37.973,24.384
  lines w0.3: -42.266,-32.309 cw(c-44.477,-32.222) -42.264,-32.222
  text "-12V" at 42.291,36.449 h1.2
  text "+12V" at 42.291,30.861 h1.2
  text "7912" at 1.27,30.226 h1.2
  text "7812" at 24.638,30.226 h1.2
  text "TP1 -12V" at 8.509,26.289 h1.2
  text "TP2 +12V" at 33.909,26.289 h1.2
  text "TP +5Vin" at -42.977,22.555 h1.2
  text "GND" at -12.192,18.034 h1.2
  text "TP5" at -27.457,-5.766 h1
  text "TP4" at -17.831,-12.294 h1
  text "PCM" at -26.035,-23.368 h1
  text "+3.3V" at -44.069,-23.495 h1
  text "TP3 +5V" at -8.128,-26.416 h1.2 r180
  text "+5V" at 37.998,-28.245 h1.2
  text "7805" at 2.032,-30.099 h1.2 r180
  text "Audio DAC CS4350" at -39.954,-30.607 h1.2
  text "ADCS4350S83V1.12" at -39.954,-32.893 h1.2
  text "S83" at -45.974,-32.969 h2.5
  text "2020" at -39.954,-35.154 h1.2
Bottom Overlay:
  lines w0.2: -48.768,-9.398 -45.339,-9.398 -45.339,9.525 -48.768,9.525 -48.768,-9.398
  text "AC" at -46.355,42.037 h1
  text "7812" at 28.575,38.735 h1
  text "7912" at 1.651,38.481 h1
  text "-" at -22.479,34.544 h1.5
  text "AC" at -46.228,34.417 h1
  text "+" at -17.145,34.417 h1.5
  text "-" at -38.735,31.623 h1.5
  text "+" at -27.686,31.623 h1.5
  text "+5V" at -42.037,19.812 h1
  text "+5V" at -42.037,17.272 h1
  text "GND" at -42.037,14.859 h1
  text "GND" at -42.037,12.192 h1
  text "GND" at -42.037,7.239 h1
  text "CLK" at -41.91,4.572 h1
  text "GND" at -41.91,2.159 h1
  text "DIN" at -44.577,-1.27 h1 r270
  text "GND" at -42.037,-3.556 h1
  text "LRCK" at -41.021,-5.588 h1
  text "RMCLK" at -36.957,-7.366 h1 r270
  text "GND" at -42.037,-8.001 h1
  text "GND" at -42.037,-13.208 h1
  text "SCLK" at -41.021,-15.748 h1
  text "SDI" at -42.291,-18.288 h1
  text "CS" at -43.053,-20.828 h1
  text "7805" at -2.032,-38.354 h1 r180